# Altium PCB rf_modulator_source.PcbDoc (part 1 of 2) (continued)
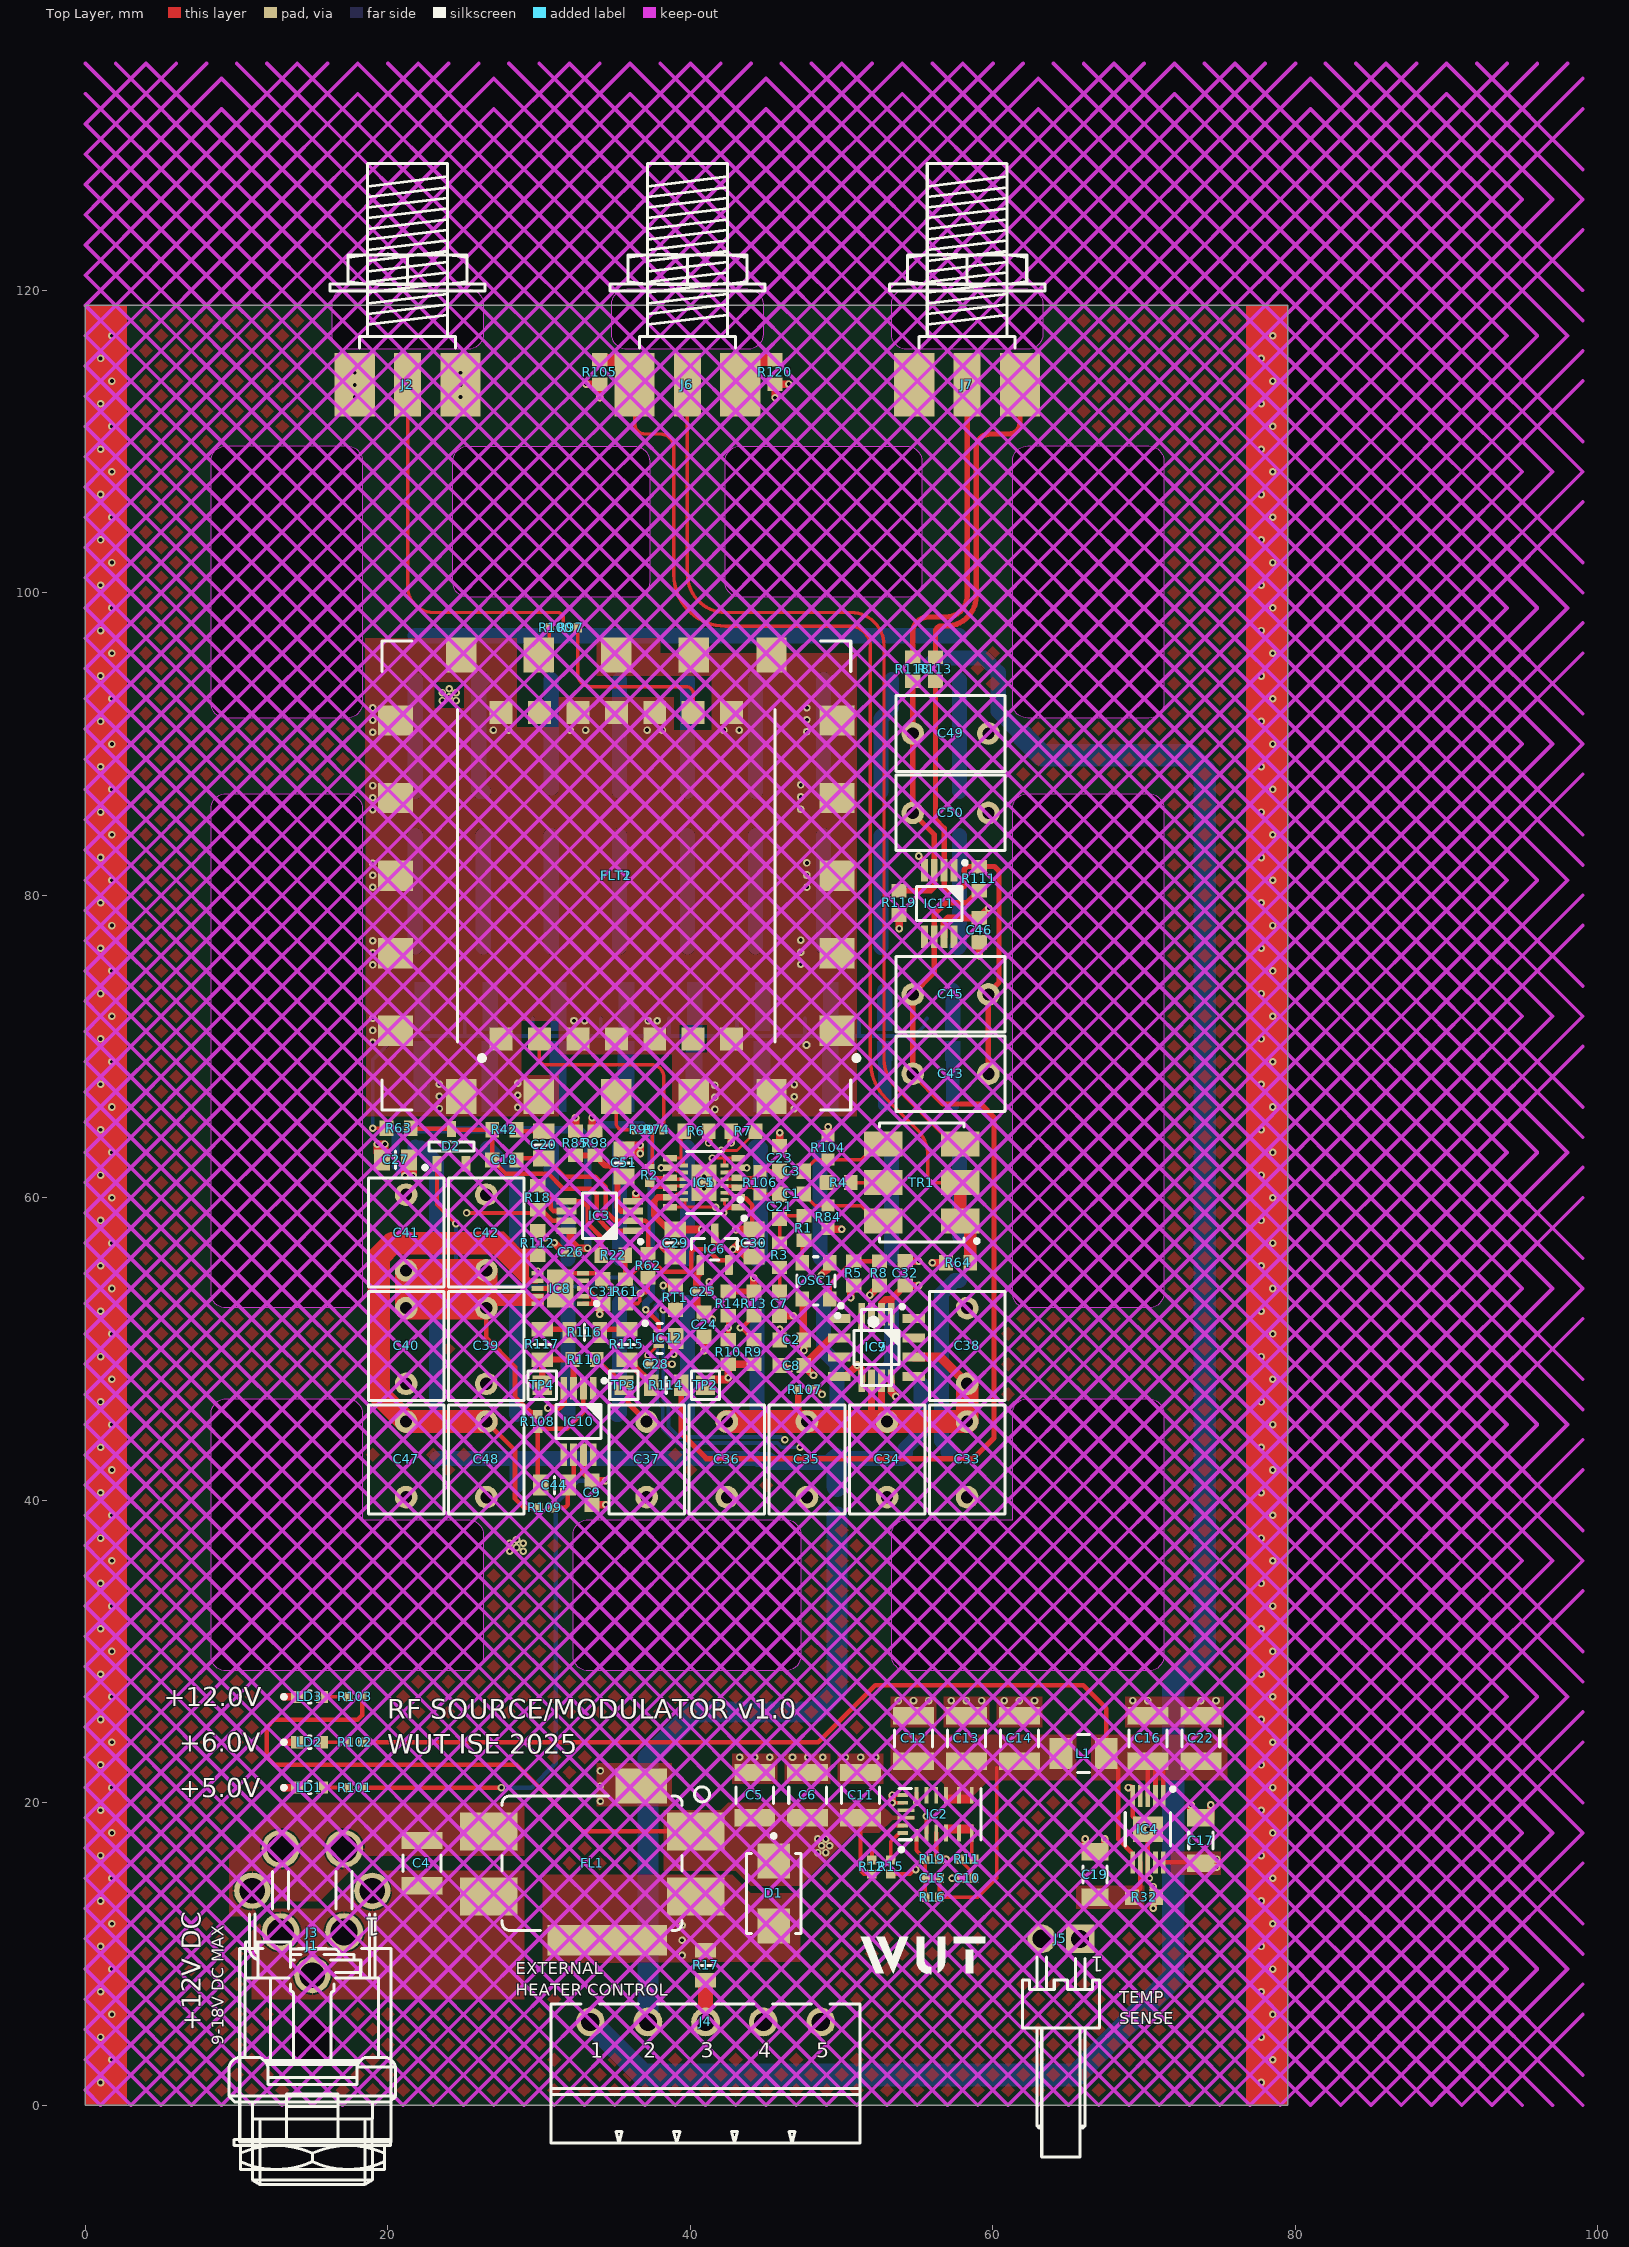
[diagram p0: Top Layer view]
## Components (designator, comment, footprint, x,y, rotation, side; value= is the part's Value field where it differs from the comment) (continued)
R69 "43" RESC3216X65N 39.8,75.115 r270 bottom
R70 "43" RESC3216X65N 35.3,75.115 r270 bottom
R71 "43" RESC3216X65N 30.8,75.115 r270 bottom
R72 "43" RESC3216X65N 26.3,75.115 r270 bottom
R73 "43" RESC3216X65N 21.8,75.115 r270 bottom
R74 "0" RESC1005X40N 37.77,64.5 r0 top
R75 "43" RESC3216X65N 57.8,85.415 r270 bottom
R76 "43" RESC3216X65N 52.6,85.4 r270 bottom
R77 "43" RESC3216X65N 48.8,85.415 r270 bottom
R78 "43" RESC3216X65N 44.3,85.415 r270 bottom
R79 "43" RESC3216X65N 39.8,85.415 r270 bottom
R80 "43" RESC3216X65N 35.3,85.415 r270 bottom
R81 "43" RESC3216X65N 30.8,85.415 r270 bottom
R82 "43" RESC3216X65N 26.3,85.415 r270 bottom
R83 "43" RESC3216X65N 21.8,85.415 r270 bottom
R84 "50" RES_VISHAY_FC0603 49.1,58.7 r90 top
R85 "10k" RESC1608X55N 32.4,63.6 r270 top
R86 "43" RESC3216X65N 57.8,95.715 r270 bottom
R87 "43" RESC3216X65N 53.3,95.715 r270 bottom
R88 "43" RESC3216X65N 48.8,95.715 r270 bottom
R89 "43" RESC3216X65N 44.3,95.715 r270 bottom
R90 "43" RESC3216X65N 39.8,95.715 r270 bottom
R91 "43" RESC3216X65N 35.3,95.715 r270 bottom
R92 "43" RESC3216X65N 30.8,95.715 r270 bottom
R93 "43" RESC3216X65N 26.3,95.715 r270 bottom
R94 "43" RESC3216X65N 21.8,95.715 r270 bottom
R95 "0" RESC2012X60N 24.05,96.15 r90 bottom
R96 "0" RESC2012X60N 55.55,96.15 r90 bottom
R97 "0" RESC1005X40N 32.07,97.7 r180 top
R98 "20k" RESC1608X55N 33.7,63.6 r90 top
R99 "0" RESC1005X40N 36.83,64.5 r180 top
R100 "0" RESC1005X40N 31.13,97.7 r0 top
R101 "2k4" RESC1005X40N 17.825,21 r180 top
R102 "5k1" RESC1005X40N 17.825,24 r180 top
R103 "10k" RESC1005X40N 17.825,27 r0 top
R104 "50" RES_VISHAY_FC0603 49.1,63.3 r270 top
R105 "0" RESC1608X55N 34,114.6 r90 top
R106 "50" RES_VISHAY_FC0603 44.6,61 r270 top
R107 "5k1" RESC1005X40N 47.6,47.3 r0 top
R108 "5k1" RESC1005X40N 29.9,45.2 r270 top
R109 "220" RESC1005X40N 30.4,39.5 r180 top
R110 "1k" RESC1608X55N 33,49.3 r180 top
R111 "1k" RESC1608X55N 59.1,81.1 r270 top
R112 "39k" RESC1608X55N 29.9,57 r270 top
R113 "33k2" RESC1608X55N 56.2,94.95 r270 top
R114 "866k" RESC2012X60N 38.4,47.6 r180 top
R115 "866k" RESC2012X60N 35.8,50.3 r90 top
R116 "866k" RESC2012X60N 33,51.1 r180 top
R117 "866k" RESC2012X60N 30.2,50.3 r270 top
R118 "33k2" RESC1608X55N 54.7,94.95 r270 top
R119 "1k" RESC1608X55N 53.8,79.5 r90 top
R120 "0" RESC1608X55N 45.6,114.6 r90 top
RT1 "10k" THERMC1608X90N 39,53.4 r90 top
T1 "PMV40UN2" SOT95P230X110-3N 56.6,70.7 r270 bottom
T2 "PMV40UN2" SOT95P230X110-3N 52.1,70.7 r270 bottom
T3 "PMV40UN2" SOT95P230X110-3N 48.525,70.7 r270 bottom
T4 "PMV40UN2" SOT95P230X110-3N 44.025,70.7 r270 bottom
T5 "PMV40UN2" SOT95P230X110-3N 39.525,70.7 r270 bottom
T6 "PMV40UN2" SOT95P230X110-3N 35.025,70.7 r270 bottom
T7 "PMV40UN2" SOT95P230X110-3N 30.525,70.7 r270 bottom
T8 "PMV40UN2" SOT95P230X110-3N 26.025,70.7 r270 bottom
T9 "PMV40UN2" SOT95P230X110-3N 21.525,70.7 r270 bottom
TP2 "Test Point" TPS127 41,47.6 r180 top
TP3 "Test Point" TPS127 35.6,47.6 r180 top
TP4 "Test Point" TPS127 30.2,47.6 r180 top
TR1 "1:2" XFMR_MINI-CIRCUITS_CD542 55.3,61 r90 top

## Footprints (in the part's own frame and the unit in brackets; to place one, negate y for a bottom-side part, rotate by r counter-clockwise, add the part's x,y. Pads: shape width x height; smd on the part's side, far side on the other; paste and mask are expansions set on the pad)
ADI-R-8_L [mm] "SOIC, 8-Leads, Body 4.9x3.9mm, Pitch 1.27mm, IPC High Density"
  rect 1.47x0.6 smd: 1(-2.465,1.905) 2(-2.465,0.635) 3(-2.465,-0.635) 4(-2.465,-1.905) 5(2.465,-1.905) 6(2.465,-0.635) 7(2.465,0.635) 8(2.465,1.905)
  silkscreen extent -2.47,-2.5 1,2.88, body extent -2,-2.5 2,2.5, height 1.75
ANALOG-DEVICES_DC-4 [mm] "DFN, 0.50mm Pitch, 3 Pin, 2.00mm L X 2.00mm W X 0.80mm H body (w/Thermal Tab 1.05 X 1.40mm), ANALOG DEVICE DC"
  rect 0.7x0.25 smd: 1(-0.9,0.5) 2(-0.9,0) 3(-0.9,-0.5)
  rect 1.05x1.4 smd: 4(0.225,0)
  silkscreen extent -1.92,-1 -0.65,1.12, body extent -1,-1 1,1, height 0.8
CAPC1005X55N [mm] "Capacitor, Non-Polarized, Chip; 1.00mm L X 0.50mm W X 0.70mm H, IPC Medium Density"
  rect 0.62x0.62 smd: 1(-0.45,0) 2(0.45,0)
  body extent -0.52,-0.27 0.53,0.28, height 0.55
CAPC1608X87N [mm] "Chip Capacitor, Body 1.6x0.8mm IPC Medium Density"
  rect 0.95x1 smd: 1(-0.8,0) 2(0.8,0)
  body extent -0.87,-0.47 0.88,0.48, height 0.87
CAPC2012X135N [mm] "Chip Capacitor, Body 2.0x1.25mm, IPC Medium Density"
  rect 1.05x1.4 smd: 1(-0.9,0) 2(0.9,0)
  silkscreen extent 0,-0.58 0,0.57, body extent -1.05,-0.67 1.05,0.68, height 1.25
CAPC3216X180N [mm] "Chip Capacitor, Body 3.2x1.6mm, IPC Medium Density"
  rect 1.15x1.8 smd: 1(-1.5,0) 2(1.5,0)
  silkscreen extent -0.55,-0.8 0.55,0.8, body extent -1.7,-0.9 1.7,0.9, height 1.8
CAPC3225X140N [mm] "Chip Capacitor, Body 3.2x2.5mm, IPC Medium Density"
  rect 1.15x2.7 smd: 1(-1.5,0) 2(1.5,0)
  silkscreen extent -0.55,-1.25 0.55,1.25, body extent -1.7,-1.35 1.7,1.35, height 1.4
CAPR500-500X720X1000 [mm] "Capacitor Radial, Pin spacing 5.0mm - Body With 5.0mm X Body Length 7.2mm X Body Height 10mm"
  round 1.5 hole 0.8: 1(-2.5,0) 2(2.5,0)
  silkscreen extent -3.6,-2.5 3.6,2.5, body extent -3.6,-2.5 3.6,2.5, height 10
DIOM5336X265N [mm] "DO-214-AA/SMB Diode, Molded Body; 5.34mm L X 3.625mm W X 2.65mm H, IPC Medium Density"
  rect 2.3x2.15 smd: 1(-2.15,0) 2(2.15,0)
  silkscreen extent -3.92,-1.8 2.65,1.8, body extent -2.7,-1.95 2.7,1.95, height 2.4
FIL_MURATA_BNX02 [mm] "Block Type EMIFIL LC Combined Type, BNX02* Series"
  rect 3.8x2.5 smd: 1(-6.85,2.1) 2(6.85,2.1) 3(-6.85,-2.2) 4(6.85,-2.2)
  rect 7.9x2 smd: 4(1,-5.1)
  rect 3.4x2.3 smd: 4(3.25,5.1)
  silkscreen extent -5.95,-4.45 7.77,5.05, body extent -6.05,-4.55 6.05,4.55, height 3.1
FP-DBZ0003A-MFG [mm]
  rrect17% 1.3x0.5 smd paste+0 mask+0: 1(-1.05,0.95) 2(-1.05,-0.95) 3(1.05,0)
  silkscreen extent -0.7,-1.52 0.7,1.52, body extent -1.8,-1.62 1.8,1.62, height 0.25
HR1176 [mm] "Mini-Circuits HR1176 package"
  rect 2.01x2.31 smd: 1(-10.26,-14.595) 2(-5.13,-14.595) 3(0,-14.595) 4(5.13,-14.595) 5(10.26,-14.595) 11(10.26,14.595) 12(5.13,14.595) 13(0,14.595) 14(-5.13,14.595) 15(-10.26,14.595)
  rect 2.31x2.01 smd: 6(14.595,-10.26) 7(14.595,-5.13) 8(14.595,0) 9(14.595,5.13) 10(14.595,10.26) 16(-14.595,10.26) 17(-14.595,5.13) 18(-14.595,0) 19(-14.595,-5.13) 20(-14.595,-10.26)
  silkscreen extent -15.5,-16 15.5,15.5
HU1186 [mm] "Mini-Circuits HU1186 package"
  rect 1.52x1.52 smd: 1(-7.62,-10.795) 2(-5.08,-10.795) 3(-2.54,-10.795) 4(0,-10.795) 5(2.54,-10.795) 6(5.08,-10.795) 7(7.62,-10.795) 8(7.62,10.795) 9(5.08,10.795) 10(2.54,10.795) 11(0,10.795) 12(-2.54,10.795) 13(-5.08,10.795) 14(-7.62,10.795)
  silkscreen extent -10.5,-12.19 10.5,11
INDM3225X210N [mm] "Inductor, Molded Body; 3.20mm L X 2.50mm W, IPC Medium Density"
  rect 1.5x2.05 smd: 1(-1.5,0) 2(1.5,0)
  silkscreen extent -0.4,-1.25 0.4,1.25, body extent -1.7,-1.35 1.7,1.35, height 2.1
LED_KINGBRIGHT_KPH-1608CGCK [mm] "SMT Green LED, Case 0603, Body L 1.6 x W 0.8mm H 0.65mm"
  rect 0.8x0.8 smd: 1(-0.825,0) 2(0.825,0)
  silkscreen extent -1.82,-0.4 0.08,0.4, body extent -0.8,-0.4 0.8,0.4, height 0.65
MOLEX_22-05-7028 [mm] "2.54mm (.100\") Pitch KK® Wire-To-Board Header, Right Angle, With Friction Lock, 2 Circuits"
  rect 1.9x1.9 hole 1.2: 1(-1.27,0.002)
  round 1.9 hole 1.2: 2(1.27,-0.002)
  silkscreen extent -2.54,1.21 2.54,14.42, body extent -2.54,-0.32 2.54,14.42, height 5.84
MOLEX_39-30-0040 [mm] "4.20mm (.165\") Pitch Mini-Fit Jr. Header, Dual Row, Right Angle with Snap-in Plastic Peg PCB Lock, 4 Circuits"
  round 2.5 hole 1.8: 1(-2.1,2.75) 2(2.1,2.75) 3(-2.1,-2.75) 4(2.1,-2.75)
  round 1 hole 3 unplated mask+1: 5(0,10.05)
  silkscreen extent -5.2,-1.24 4.8,16.65, body extent -5.2,-3.28 4.8,16.65, height 11.4
MOLEX_73251-2121 [mm] "50 Ohm, SMA Edge Mount PCB, With Jam Nut And Lock Washer"
  rect 4.19x1.78 smd: 1(0,0)
  rect 4.19x2.665 smd: 2(0,3.492) 2(0,-3.492)
  rect 4.19x2.665 smd far side: 2(0,3.492) 2(0,-3.492)
  silkscreen extent -14.64,-5.13 -2.44,5.13, body extent -14.64,-5.13 1.62,5.13, height 5.76
MPM3610A [mm] "MPM3610A, Body 3,00x5,00mm, Pitch 0,50mm, IPC Medium Density"
  rect 0.8x0.25 smd: 1(-1.4,1.55) 12(1.4,1.55)
  rect 1.1x0.25 smd: 2(-1.25,0.9) 3(-1.25,0.25) 4(-1.25,-0.4) 5(-1.25,-1.25) 6(-1.25,-2.1) 7(1.25,-2.1) 8(1.25,-1.25) 9(1.25,-0.4) 10(1.25,0.25) 11(1.25,0.9)
  rect 0.25x0.7 smd: 13(1.25,2.45) 14(0.75,2.45) 17(-0.75,2.45) 18(-1.25,2.45)
  rect 0.25x1.1 smd: 15(0.25,2.25) 16(-0.25,2.25)
  Top Layer region: 1.3,-2.225 1.3,-0.275 0.7,-0.275 0.7,-2.225
  Top Layer region: -0.7,-2.225 -0.7,-0.275 -1.3,-0.275 -1.3,-2.225
  silkscreen extent -2.47,-2.7 1.7,2.7, body extent -1.55,-2.55 1.55,2.55, height 1.65
OSC_TAITIEN_3.2X2.5X1.0 [mm] "Oscillator, Corner Concave, 4 Pin, 3.2mm L X 2.5mm W X 1mm H"
  rect 0.9x1 smd: 1(-0.9,1.2) 2(-0.9,-1.2) 3(0.9,-1.2) 4(0.9,1.2)
  silkscreen extent -1.55,-1.6 1.25,2.42, body extent -1.25,-1.6 1.25,1.6, height 1
PHOENIX_1803303 [mm] "PHOENIX MC Serie, Pitch 3.81mm, 8A, 160V, 5 Positions Right Angled Header"
  round 1.9 hole 1.2: 1(-7.62,0) 2(-3.81,0) 3(0,0) 4(3.81,0) 5(7.62,0)
  silkscreen extent -10.22,-8 10.22,1.2, body extent -10.22,-8 10.22,1.3, height 7.25
RES_VISHAY_FC0603 [mm] "EIA 0603, Metric 1608, High Frequency (up to 40 GHz) Thin Film Surface Mount Chip Resistor, 1.62mm L X 0.813mm W X 0.038mm H"
  rect 0.787x0.864 smd: 1(-0.775,0) 2(0.775,0)
  body extent -0.81,-0.41 0.81,0.41, height 0.38
RESC1005X40N [mm] "Chip Resistor, EIA 0402, Metric 1005, Body 1.0x0.5mm, IPC Medium Density"
  rect 0.58x0.62 smd: 1(-0.47,0) 2(0.47,0)
  body extent -0.52,-0.27 0.53,0.28, height 0.4
RESC1608X55N [mm] "Chip Resistor, EIA 0603, Metric 1608, Body 1.6x0.8mm, IPC Medium Density"
  rect 0.9x1 smd: 1(-0.8,0) 2(0.8,0)
  body extent -0.87,-0.47 0.88,0.48, height 0.55
RESC1608X64N [mm] "Chip Resistor, EIA 0603, Metric 1608, Body 1.6x0.8mm, IPC Medium Density"
  rect 0.85x1 smd: 1(-0.8,0) 2(0.8,0)
  body extent -0.87,-0.47 0.88,0.48, height 0.64
RESC2012X60N [mm] "Chip Resistor, EIA 0805, Metric 2012, Body 2.0x1.2mm, IPC Medium Density"
  rect 0.95x1.4 smd: 1(-1,0) 2(1,0)
  silkscreen extent 0,-0.55 0,0.55, body extent -1.1,-0.67 1.1,0.68, height 0.6
RESC3216X65N [mm] "Chip Resistor, EIA 1206, Metric 3216, Body 3.2x1.6mm, IPC Medium Density"
  rect 1.15x1.8 smd: 1(-1.45,0) 2(1.45,0)
  silkscreen extent -0.5,-0.9 0.5,0.9, body extent -1.67,-0.87 1.68,0.88, height 0.65
SON45P300X300X80-13N-R175X248 [mm] "SON, 0.45mm Pitch; 12 Pin, 3.00mm W X 3.00mm L X 0.80mm H Body (w/Thermal tab 1.75 x 2.48mm), IPC Medium Density"
  rect 0.55x0.25 smd: 1(-1.35,1.125) 2(-1.35,0.675) 3(-1.35,0.225) 4(-1.35,-0.225) 5(-1.35,-0.675) 6(-1.35,-1.125) 7(1.35,-1.125) 8(1.35,-0.675) 9(1.35,-0.225) 10(1.35,0.225) 11(1.35,0.675) 12(1.35,1.125)
  rect 1.65x2.4 smd paste-0.37: 13(0,0)
  silkscreen extent -2.53,1 -2.28,1.25, body extent -1.5,-1.5 1.5,1.5, height 0.8
SON50P300X300X80-11N-R175X248 [mm] "SON, 0.50mm Pitch; 10-pin, 3.00mm W  X 3.00mm L X 0.80mm H Body, (w/thermal tab 1.75 X 2.48 mm), IPC Medium Density"
  rect 0.8x0.3 smd: 1(-1.5,1) 2(-1.5,0.5) 3(-1.5,0) 4(-1.5,-0.5) 5(-1.5,-1) 6(1.5,-1) 7(1.5,-0.5) 8(1.5,0) 9(1.5,0.5) 10(1.5,1)
  rect 1.75x2.48 smd: 11(0,0)
  silkscreen extent -2.53,0.88 -2.28,1.12, body extent -1.5,-1.5 1.5,1.5, height 0.8
SOP50P490X110-11N-R168X198 [mm] "SOP, 0.50mm, Pitch; 10 pin, 3.00mm W X 3.00mm L X 1.10mm H body (w/thermal tab  1.68 X 1.98 mm), IPC Medium Density"
  rect 1.45x0.3 smd: 1(-2.2,1) 2(-2.2,0.5) 3(-2.2,0) 4(-2.2,-0.5) 5(-2.2,-1) 6(2.2,-1) 7(2.2,-0.5) 8(2.2,0) 9(2.2,0.5) 10(2.2,1)
  rect 1.68x1.98 smd: 11(0,0)
  silkscreen extent -2.77,-1.5 1.1,1.78, body extent -2.45,-1.55 2.45,1.55, height 1.1
SOP65P490X110-8N#1 [mm] "SOP, 0.65mm pitch; 8 pin, 3.00mm W X 3.00mm L X 1.10mm H body, IPC Medium Density"
  rect 1.3x0.45 smd: 1(-2.2,0.975) 2(-2.2,0.325) 3(-2.2,-0.325) 4(-2.2,-0.975) 5(2.2,-0.975) 6(2.2,-0.325) 7(2.2,0.325) 8(2.2,0.975)
  silkscreen extent -2.83,-1.5 1.13,1.82, body extent -2.45,-1.55 2.45,1.55, height 1.1
SOP65P490X110-8N#2 [mm] "SOP, 0.65mm pitch; 8 pin, 3.00mm W X 3.00mm L X 1.10mm H body, IPC Medium Density"
  rect 1.5x0.45 smd: 1(-2.2,0.975) 2(-2.2,0.325) 3(-2.2,-0.325) 4(-2.2,-0.975) 5(2.2,-0.975) 6(2.2,-0.325) 7(2.2,0.325) 8(2.2,0.975)
  silkscreen extent -2.82,-1.5 1.12,1.82, body extent -2.45,-1.55 2.45,1.55, height 1.1
SOP65P490X110-12N [mm] "SOP,0.65mm pitch;12 pin,3.00mm W X 4.039mm L X 1.10mm H body, IPC Medium Density"
  rect 0.9x0.43 smd: 1(-2.25,1.625) 2(-2.25,0.975) 3(-2.25,0.325) 4(-2.25,-0.325) 5(-2.25,-0.975) 6(-2.25,-1.625) 7(2.25,-1.625) 8(2.25,-0.975) 9(2.25,-0.325) 10(2.25,0.325) 11(2.25,0.975) 12(2.25,1.625)
  silkscreen extent -2.78,-2.05 1.15,2.47, body extent -2.45,-2.07 2.45,2.07, height 1.1
SOT95P230X110-3N [mm] "SOT23, 3 pin, Pitch 0.95mm - 1.3mm W X 2.9mm L X 1.1mm H, IPC Medium Density"
  rect 1x0.6 smd: 1(-1.15,0.95) 2(-1.15,-0.95) 3(1.15,0)
  silkscreen extent -1.52,-1.45 0.33,1.87, body extent -1.08,-1.5 1.25,1.5, height 1.1
SOT95P248X115-3N [mm] "SOT, 0.95mm Pitch; 3 Pin, 1.315mm W X 2.95mm L X 1.15mm H body, IPC Medium Density"
  rect 1.05x0.6 smd: 1(-1.15,0.95) 2(-1.15,-0.95) 3(1.15,0)
  silkscreen extent -1.52,-1.5 0.3,1.87, body extent -1.27,-1.55 1.27,1.55, height 1.15
SWITCHCRAFT_712RA [mm] "2.5 mm Center Pin, 5A, 48VDC, Right Angle, Through Hole, Locking Power Jack Connector (Threaded Bushings)"
  round 2.4 hole 1.7: 1(-3.972,5.578) 2(0,0) 3(3.965,5.573)
  silkscreen extent -5.51,-13.85 5.51,4.04, body extent -5.51,-13.85 5.51,6.96, height 13.89
THERMC1608X90N [mm] "PTC Thermistors, Chip; 1.6mm L X 0.8mm W X 0.9mm H, IPC Medium Density"
  rect 0.95x1 smd: 1(-0.8,0) 2(0.8,0)
  body extent -0.87,-0.47 0.88,0.48, height 0.9
TPS127 [mm] "1.27 x  1.27mm SMD Test Point Area"
  rect 1.27x1.27 smd paste-1.27: 1(0,0)
  silkscreen extent -0.94,-0.94 0.94,0.94
XFMR_MINI-CIRCUITS_CD542 [mm] "MINI-CIRCUITS RF Transformer, Case CD542 - Body 7.87 X 5.58mm"
  rect 1.65x2.54 smd: 1(-2.54,-2.54) 2(0,-2.54) 3(2.54,-2.54) 4(2.54,2.54) 5(0,2.54) 6(-2.54,2.54)
  silkscreen extent -3.99,-3.76 3.94,2.79, body extent -3.93,-3.45 3.94,3.45, height 2.84

## Part data
C1 C2 C3 C7 C8 C9 C21 C23 C31 C32 C46: library part CC0603_100NF_50V_10%_X7R, "Non-polarised capacitor", Case=0603, Manufacturer=GENERIC, Manufacturer1 ComponentHeight=0.87mm, Manufacturer1 Example=PHYCOMP, Manufacturer1 Part Number=223858615649, Tolerance=±10%, Voltage=50V, Author="CERN DEM JLC", Component Type=Standard, CreateDate=03/12/2007, HelpURL=\\cern.ch\dfs\Applications\Altium\Datasheets\CC0603_X7R_PHYCOMP.pdf, LatestRevisionDate=03/12/2007, Manufacturer Part Number=CC0603_100NF_50V_10%_X7R, Mounted=Yes, Part Description="SMD Multilayer Chip Ceramic Capacitor", Part Number=CC0603_100NF_50V_10%_X7R, Pin Count=2, Sense=No, SMD=Yes, Socket=No, Status=Preferred, TC=X7R
C4 C5 C6 C11 C12 C13 C14 C16 C22: library part CC1210_22UF_25V_10%_X7R, "Non-polarised capacitor", Case=1210, Manufacturer=GENERIC, Manufacturer1 ComponentHeight=1.4mm, Manufacturer1 Example=KEMET, Manufacturer1 Part Number=C1210C226K3RAC, Tolerance=±10%, Voltage=25V, Author="CERN DEM BC", Component Type=Standard, CreateDate=20.08.2020, HelpURL=\\cern.ch\dfs\Applications\Altium\Datasheets\CC1210_X7R_KEMET.pdf, LatestRevisionDate=20.08.2020, Manufacturer Part Number=CC1210_22UF_25V_10%_X7R, Mounted=Yes, Part Description="SMD Multilayer Chip Ceramic Capacitor", Part Number=CC1210_22UF_25V_10%_X7R, Pin Count=2, Sense=No, SMD=Yes, Socket=No, Status=None, TC=X7R
C10: library part CC0402_470PF_50V_10%_X7R, "Non-polarised capacitor", Case=0402, Manufacturer=GENERIC, Manufacturer1 ComponentHeight=0.55mm, Manufacturer1 Example=PHYCOMP, Manufacturer1 Part Number=223858715618, Tolerance=±10%, Voltage=50V, Author="CERN DEM JLC", Component Type=Standard, CreateDate=03.12.2007, HelpURL=\\cern.ch\dfs\Applications\Altium\Datasheets\CC0402_NP0_PHYCOMP.pdf, LatestRevisionDate=03.12.2007, Manufacturer Part Number=CC0402_470PF_50V_10%_X7R, Mounted=Yes, Part Description="SMD Multilayer Chip Ceramic Capacitor", Part Number=CC0402_470PF_50V_10%_X7R, Pin Count=2, Sense=No, SMD=Yes, Socket=No, Status="Not Recommended", TC=X7R
C15: library part CC0402_22PF_50V_5%_C0G, "Non-polarised capacitor", Case=0402, Manufacturer=GENERIC, Manufacturer1 ComponentHeight=0.55mm, Manufacturer1 Example=KEMET, Manufacturer1 Part Number=C0402C220J5GACTU, Tolerance=±5%, Voltage=50V, Author="CERN DEM JLC", Component Type=Standard, CreateDate=03.12.2007, HelpURL="\\cern.ch\dfs\Applications\Altium\Datasheets\CC0402_C0G_KEMET_(Commercial Grade).pdf", LatestRevisionDate=03.12.2007, Manufacturer Part Number=CC0402_22PF_50V_5%_C0G, Mounted=Yes, Part Description="SMD Multilayer Chip Ceramic Capacitor", Part Number=CC0402_22PF_50V_5%_C0G, Pin Count=2, Sense=No, SMD=Yes, Socket=No, Status=Preferred, TC=C0G/NP0
C17 C19: library part CC1206_4.7UF_16V_10%_X5R, "Non-polarised capacitor", Case=1206, Manufacturer=GENERIC, Manufacturer1 ComponentHeight=1.8mm, Manufacturer1 Example=KEMET, Manufacturer1 Part Number=C1206C475K4PAC, Tolerance=±10%, Voltage=16V, Author="CERN DEM JLC", Component Type=Standard, CreateDate=03/12/2007, HelpURL=\\cern.ch\dfs\Applications\Altium\Datasheets\CC1206_X5R_KEMET.pdf, LatestRevisionDate=03/12/2007, Manufacturer Part Number=CC1206_4.7UF_16V_10%_X5R, Mounted=Yes, Part Description="SMD Multilayer Chip Ceramic Capacitor", Part Number=CC1206_4.7UF_16V_10%_X5R, Pin Count=2, Sense=No, SMD=Yes, Socket=No, Status=Preferred, TC=X5R
C18: library part CC0603_100PF_50V_5%_NP0, "Non-polarised capacitor", Case=0603, Manufacturer=GENERIC, Manufacturer1 ComponentHeight=0.87mm, Manufacturer1 Example=PHYCOMP, Manufacturer1 Part Number=223886715101, Tolerance=±5%, Voltage=50V, Author="CERN DEM JLC", Component Type=Standard, CreateDate=03.12.2007, HelpURL=\\cern.ch\dfs\Applications\Altium\Datasheets\CC0603_NP0_PHYCOMP.pdf, LatestRevisionDate=03.12.2007, Manufacturer Part Number=CC0603_100PF_50V_5%_NP0, Mounted=Yes, Part Description="SMD Multilayer Chip Ceramic Capacitor", Part Number=CC0603_100PF_50V_5%_NP0, Pin Count=2, Sense=No, SMD=Yes, Socket=No, Status=Preferred, TC=C0G/NP0
C20: library part CC0805_22UF_16V_10%_X5R, "Non-polarised capacitor", Case=0805, Manufacturer=GENERIC, Manufacturer1 ComponentHeight=1.35mm, Manufacturer1 Example=TDK, Manufacturer1 Part Number=C2012X5R1C226KT, Tolerance=±10%, Voltage=16V, Author="CERN DEM JLC", Component Type=Standard, CreateDate=25.10.2012, HelpURL=\\cern.ch\dfs\Applications\Altium\Datasheets\CC0805_X5R_TDK_C.pdf, LatestRevisionDate=25.10.2012, Manufacturer Part Number=CC0805_22UF_16V_10%_X5R, Mounted=Yes, Part Description="SMD Multilayer Chip Ceramic Capacitor", Part Number=CC0805_22UF_16V_10%_X5R, Pin Count=2, Sense=No, SMD=Yes, Socket=No, Status=Preferred, TC=X5R
C24: library part CC0603_1UF_25V_10%_X7R, "Non-polarised capacitor", Case=0603, Manufacturer=GENERIC, Manufacturer1 ComponentHeight=0.9mm, Manufacturer1 Example=MURATA, Manufacturer1 Part Number=GRM188R71E105KA12D, Tolerance=±10%, Voltage=25V, Author="CERN DEM JLC", Component Type=Standard, CreateDate=18.01.2011, HelpURL=\\cern.ch\dfs\Applications\Altium\Datasheets\CC0603_X7R_MURATA.pdf, LatestRevisionDate=18.01.2011, Manufacturer Part Number=CC0603_1UF_25V_10%_X7R, Mounted=Yes, Part Description="SMD Multilayer Chip Ceramic Capacitor", Part Number=CC0603_1UF_25V_10%_X7R, Pin Count=2, Sense=No, SMD=Yes, Socket=No, Status=None, TC=X7R
C25 C26 C28: library part CC0402_100NF_16V_10%_X7R, "Non-polarised capacitor", Case=0402, Manufacturer=GENERIC, Manufacturer1 ComponentHeight=0.55mm, Manufacturer1 Example=MURATA, Manufacturer1 Part Number=GRM155R71C104KA88D, Tolerance=±10%, Voltage=16V, Author="CERN DEM JLC", Component Type=Standard, CreateDate=05.12.2013, HelpURL=\\cern.ch\dfs\Applications\Altium\Datasheets\CC0402_X7R_MURATA_GRM.pdf, LatestRevisionDate=03.12.2007, Manufacturer Part Number=CC0402_100NF_16V_10%_X7R, Mounted=Yes, Part Description="SMD Multilayer Chip Ceramic Capacitor", Part Number=CC0402_100NF_16V_10%_X7R, Pin Count=2, Sense=No, SMD=Yes, Socket=No, Status="Not Recommended", TC=X7R
C27: library part CC0805_10UF_10V_10%_X7R, "Non-polarised capacitor", Case=0805, Manufacturer=GENERIC, Manufacturer1 ComponentHeight=1.35mm, Manufacturer1 Example=MURATA, Manufacturer1 Part Number=GRM21BR71A106KE51L, Tolerance=±10%, Voltage=10V, Author="CERN DEM JLC", Component Type=Standard, CreateDate=30.04.2012, HelpURL=\\cern.ch\dfs\Applications\Altium\Datasheets\CC0805_X7R_MURATA.pdf, LatestRevisionDate=30.04.2012, Manufacturer Part Number=CC0805_10UF_10V_10%_X7R, Mounted=Yes, Part Description="SMD Multilayer Chip Ceramic Capacitor", Part Number=CC0805_10UF_10V_10%_X7R, Pin Count=2, Sense=No, SMD=Yes, Socket=No, Status=Preferred, TC=X7R
C29 C30 C44 C51: library part CC0805_47NF_25V_5%_C0G, "Non-polarised capacitor", Case=0805, Manufacturer=GENERIC, Manufacturer1 ComponentHeight=1.4mm, Manufacturer1 Example=KEMET, Manufacturer1 Part Number=C0805C473J3GACTU, Tolerance=±5%, Voltage=25V, Author="CERN DEM JLC", Component Type=Standard, CreateDate=18/01/2011, HelpURL="\\cern.ch\dfs\Applications\Altium\Datasheets\CC0805_C0G_KEMET_(Commercial Grade).pdf", LatestRevisionDate=18/01/2011, Manufacturer Part Number=CC0805_47NF_25V_5%_C0G, Mounted=Yes, Part Description="SMD Multilayer Chip Ceramic Capacitor", Part Number=CC0805_47NF_25V_5%_C0G, Pin Count=2, Sense=No, SMD=Yes, Socket=No, Status=None, TC=C0G/NP0
C33 C34 C35 C36 C37 C38 C39 C40 C41 C42 C43 C45 C47 C48 C49 C50: library part CPER_3.3UF_63V_5%_WIMA_MKS2, "Non-polarised capacitor", Case="LS5 W5 x L7.2 x H11", Manufacturer=WIMA, Manufacturer Part Number=MKS2C043301K00JSSD, Tolerance=±5%, Voltage=63V, Author=GK, Component Type=Standard, ComponentHeight=10mm, CreateDate=04.10.2018, HelpURL=\\cern.ch\dfs\Applications\Altium\Datasheets\CPPR_WIMA_MKP2.pdf, LatestRevisionDate=04.10.2018, Mounted=Yes, Part Description="Metallized Polypropylene Film Capacitor (MKP2)", Part Number=CPER_3.3UF_63V_5%_WIMA_MKS2, Pin Count=2, Sense=No, SMD=No, Socket=No, Status=None
D1: "Zener Diode", Case=DO-214AA, Manufacturer="FAIRCHILD SEMICONDUCTOR", Power=600W, Voltage=12V, Author="CERN DEM JLC", Bonding=No, Component Type=Standard, ComponentHeight=2.65mm, CreateDate=10.04.2013, Device=SMBJ12A, HelpURL=\\cern.ch\dfs\Applications\Altium\Datasheets\SMBJ.pdf, LatestRevisionDate=10.04.2013, Manufacturer Part Number=SMBJ12A, Mounted=Yes, PackageDescription="DO-214-AA/SMB Diode, Molded Body; 5.34mm L X 3.625mm W X 2.65mm H, IPC Medium Density", Part Description="Uni-Directional Transient Voltage Suppressor Diode", Part Number=SMBJ12A, Pin Count=2, PressFit=No, Sense=No, SMD=Yes, Socket=No
D2: "Diode Zener Anode Pin 1 Cathode Pin 3 (Pas de pin 2)", Case=SOT23-3, Manufacturer="VISHAY SEMICONDUCTORS", Power=300mW, Voltage=6V2, Author="CERN DEM BC", Bonding=No, Component Type=Standard, ComponentHeight=1.15mm, CreateDate=10.10.2019, Device=BZX84C6V2, HelpURL=\\cern.ch\dfs\Applications\Altium\Datasheets\BZX84C6V2.pdf, LatestRevisionDate=10.10.2019, Manufacturer Part Number=BZX84C6V2, Mounted=Yes, PackageDescription="SOT, 0.95mm Pitch; 3 Pin, 1.315mm W X 2.95mm L X 1.15mm H body, IPC Medium Density", Part Description="Small Signal Zener Diode", Part Number=BZX84C6V2, Pin Count=3, PressFit=No, Sense=No, SMD=Yes, Socket=No
FL1: library part FIL_MURATA_BNX022-01L, "Block Type EMIFIL (LC Combined)", Manufacturer=MURATA, Manufacturer Part Number=BNX022-01L, Resistance=0.5R, Author="CERN DEM JLC", Component Type=Standard, ComponentHeight=3.3mm, CreateDate=10.10.2012, HelpURL=\\cern.ch\dfs\Applications\Altium\Datasheets\FIL_MURATA_BNX022-01L.pdf, LatestRevisionDate=10.10.2012, Mounted=Yes, Part Description="Block Type EMIFIL (LC Combined) SMD Type, BNX02* Series", Part Number=FIL_MURATA_BNX022-01L, Pin Count=2, Sense=No, SMD=Yes, Socket=No, Status=None
FLT1: "Band Pass Filter, 16MHz", Average Input Power=500mW, Center or Cutoff Frequency (fo/fc)=16MHz, Manufacturer=Mini-Circuits, Max Operating Temperature=85°C, Min Operating Temperature=-40°C, Supplier Part Number 1=3157-BPF-E16+CT-ND, ComponentLink1Description=https://datasheet.ciiva.com:443/pdfs/VipMasterIC/IC/MINI/MINI-S-A0002947472/MINI-S-A0002947472-1.pdf?src-supplier=IHS+Markit, ComponentLink1URL=https://datasheet.ciiva.com:443/pdfs/VipMasterIC/IC/MINI/MINI-S-A0002947472/MINI-S-A0002947472-1.pdf?src-supplier=IHS+Markit, Filter Type="BAND PASS FILTER", Height=9.4mm, Input Impedance=50R, Insertion Loss-Max=3dB, JESD-609 Code=e4, Length=30.48mm, Manufacturer Part Number=BPF-E16+, Mounting Technology="Surface Mount", Output Impedance=50R, Pricing 1="1=36,35, 10=33,312, 50=31,8 (USD)", Reach SVHC Compliant=Yes, RoHS=Yes, RoHS Compliant=Yes, Stock 1=41, Supplier 1=Digikey, Terminal Finish=Gold, VSWR=1.9, Width=30.48mm
FLT2: "Band Pass Filter, 45MHz, 14 Pin(s)", Manufacturer=Mini-Circuits, Supplier Part Number 1=3157-BPF-C45+CT-ND, Manufacturer Part Number=BPF-C45+, Pricing 1="1=48,49, 10=45,456, 25=42,4204, 50=40,908, 100=39,3841 (USD)", RoHS=Yes, Stock 1=219, Supplier 1=Digikey
IC1: "Low Phase Noise, Dual Output Buffer/Driver/Logic Converter, CMOS Logic, In-Phase Outputs", Case=SON12, Manufacturer="LINEAR TECHNOLOGY", Author="CERN DEM JMW", Bonding=No, Component Type=Standard, ComponentHeight=0.8mm, CreateDate=08/08/2016, Device=LTC6957IDD-3#PBF, HelpURL=\\cern.ch\dfs\Applications\Altium\Datasheets\LTC6957IDD-3#PBF.pdf, LatestRevisionDate=07/12/2016, Manufacturer Part Number=LTC6957IDD-3#PBF, Mounted=Yes, PackageDescription="SON, 0.45mm Pitch; 12 Pin, 3.00mm W X 3.00mm L X 0.80mm H Body (w/Thermal tab 1.75 x 2.48mm), IPC Medium Density", Part Description="Low Phase Noise, Dual Output Buffer/Driver/Logic Converter, CMOS Logic, In-Phase Outputs", Part Number=LTC6957IDD-3#PBF, Pin Count=13, PressFit=No, Sense=No, SMD=Yes, Socket=No
IC2: "18V/3A DC/DC Module Synchronous Step-Down Regulator with Integrated Inductor", Case/Package=QFN, Manufacturer="Monolithic Power Systems", Supplier Part Number 1=3358182, Category="Board Mount Modules", ComponentLink1Description=http://www.monolithicpower.com/pub/media/document/MPM3630_r1.0.pdf?src-supplier=Digikey, ComponentLink1URL=http://www.monolithicpower.com/pub/media/document/MPM3630_r1.0.pdf?src-supplier=Digikey, ComponentLink2Description=https://www.monolithicpower.com/pub/media/document/MPM3630_r1.0.pdf?src-supplier=Digikey, ComponentLink2URL=https://www.monolithicpower.com/pub/media/document/MPM3630_r1.0.pdf?src-supplier=Digikey, ComponentLink3Description=https://datasheet.octopart.com/MPM3630GQV-Z-Monolithic-Power-Systems-datasheet-140259359.pdf?src-supplier=Newark, ComponentLink3URL=https://datasheet.octopart.com/MPM3630GQV-Z-Monolithic-Power-Systems-datasheet-140259359.pdf?src-supplier=Newark, ComponentLink4Description=https://datasheet.octopart.com/MPM3630GQV-Z-Monolithic-Power-Systems-datasheet-81324618.pdf?src-supplier=Future+Electronics, ComponentLink4URL=https://datasheet.octopart.com/MPM3630GQV-Z-Monolithic-Power-Systems-datasheet-81324618.pdf?src-supplier=Future+Electronics, ComponentLink5Description=https://www.monolithicpower.com/DesktopModules/DocumentManage/API/Document/GetDocument?id=4863&src-supplier=Digikey, ComponentLink5URL=https://www.monolithicpower.com/DesktopModules/DocumentManage/API/Document/GetDocument?id=4863&src-supplier=Digikey, ComponentLink6Description=https://datasheet.octopart.com/MPM3630GQV-Z-Monolithic-Power-Systems-datasheet-155982336.pdf?src-supplier=Monolithic+Power+Systems, ComponentLink6URL=https://datasheet.octopart.com/MPM3630GQV-Z-Monolithic-Power-Systems-datasheet-155982336.pdf?src-supplier=Monolithic+Power+Systems, Manufacturer Part Number=MPM3630GQV-Z, Pins=18, RoHS=Yes, RoHS Compliant=Yes, Stock 1=4233, Supplier 1=Farnell